# Altium PCB TIDA-010933-RevA.PcbDoc (part 8 of 9)
Units mm, origin at the board's own origin, x right, y up, seen from the top; angles counter-clockwise.
Board outline 230 x 230 mm, 4 copper layers (Top Layer, Layer 1, Layer 2, Bottom Layer), stack 1.637 mm thick; 776 components, 394 nets, 2295 pads, 2783 vias.
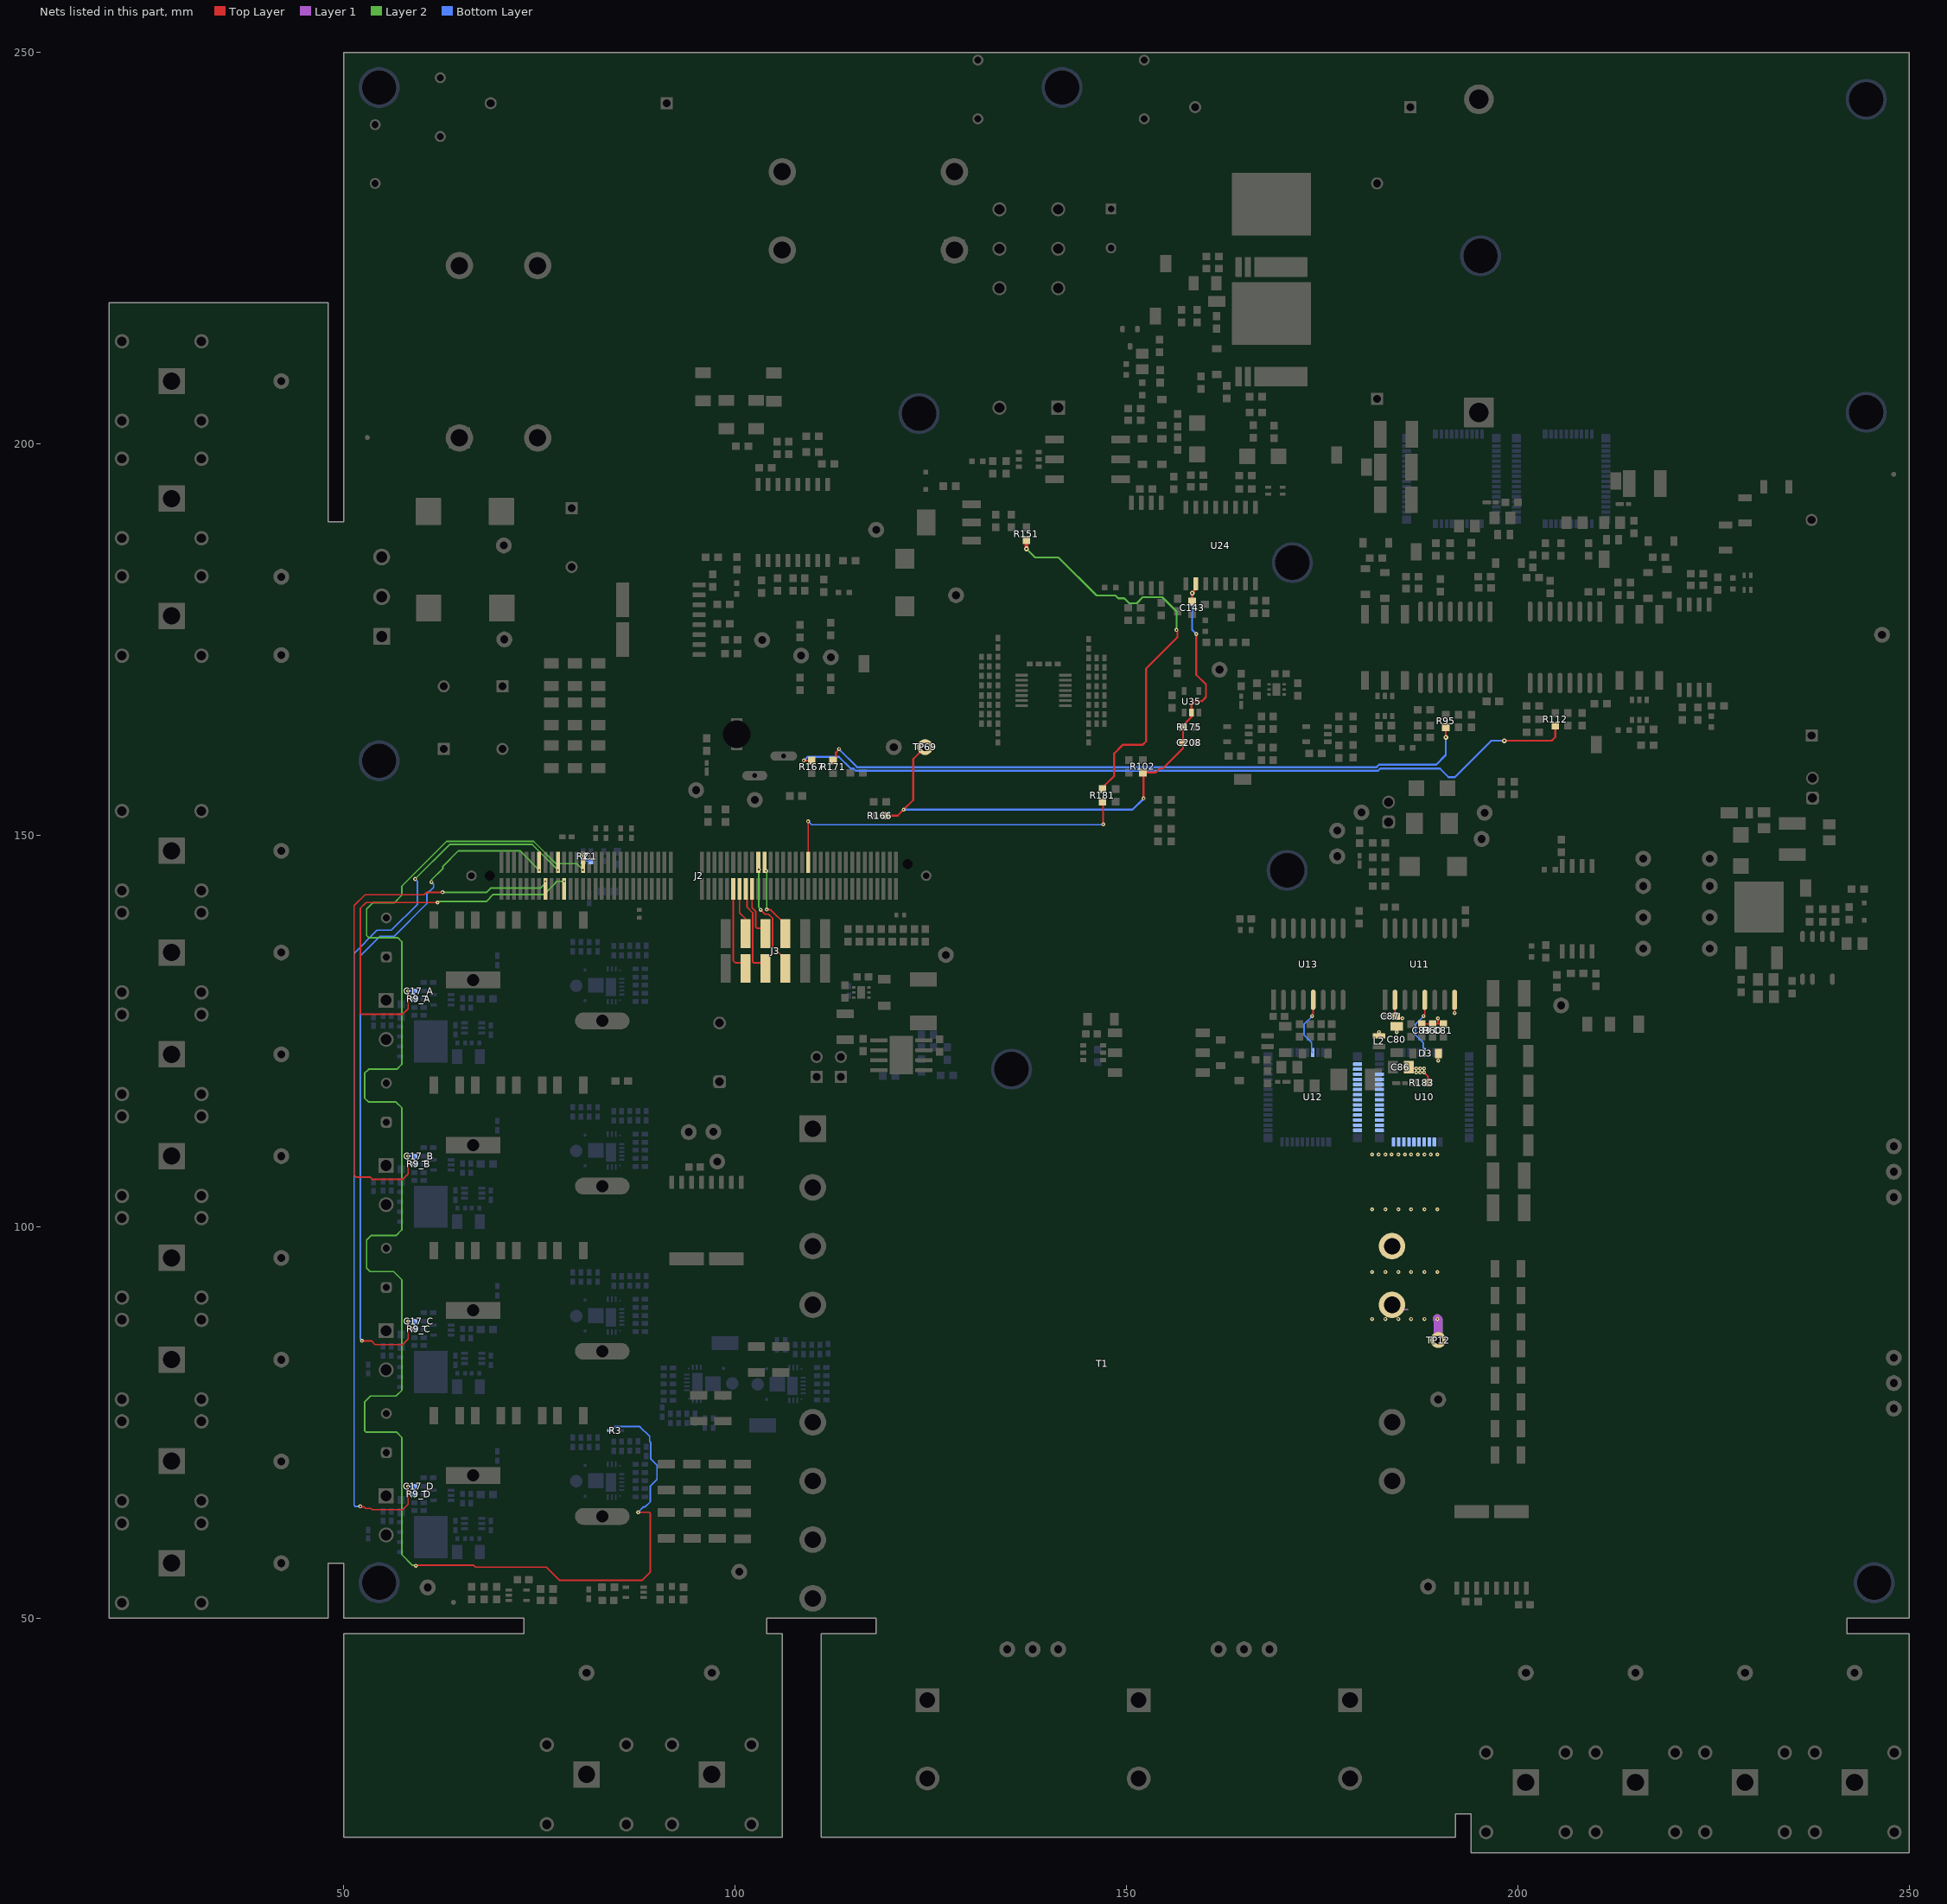
[diagram p10: the nets of this part, all layers, seen from the top]

## Via types
v1: diameter 0.5, hole 0.2, Top Layer to Bottom Layer, tented both sides, 1458 vias
v2: diameter 0.61, hole 0.254, Top Layer to Bottom Layer, tented both sides, 1311 vias
v3: diameter 0.63, hole 0.33, Top Layer to Bottom Layer, 6 vias
v4: diameter 0.5, hole 0.2, Top Layer to Bottom Layer, 4 vias
v5: diameter 0.61, hole 0.203, Top Layer to Bottom Layer, tented both sides, 4 vias

## Nets (pads, with @x,y where several pads share a name; then routed paths per layer and width w, separated by ;. In a path a pad name is that pad's centre, name@x,y a point inside that pad or via, vN(x,y) a via of type N, cw(c..) or ccw(c..) an arc to the next point about the centre after c; other vN are vias at no path point) (continued)
PWM_LS_Si: C143.1 C208.1 R102.2 R166.2 R175.2 TP69.1 U24.2 U35.2 | length 77.4
  Top Layer w0.254: R166.2@119.3,152.5 120.75,152.5 v1(121.5,153.25) 122.728,154.478 122.728,159.728 TP69.1@124.25,161.25 ; R102.2@152,158.1 R102.2@152.1,158 ; v1(152.172,154.672) 152.172,157.928 R102.2@152.1,158 ; C208.1@157.208,161.745 157.208,161.1 154.648,158.54 154.26,158.54 153.72,158 R102.2@152.1,158 ; C208.1@157.208,161.821 R175.2@157.208,163.821 157.208,164.004 158.293,165.089 U35.2@158.293,165.677 158.293,166.581 158.812,167.1 159.6,167.1 160.137,167.637 160.137,169.258 158.9,170.496 v1(158.9,175.7) ; C143.1@158.37,179.834 v2(158.37,180.914) 158.825,181.368 U24.2@158.825,182.125
  Bottom Layer w0.254: v1(121.5,153.25) 150.75,153.25 v1(152.172,154.672) ; v2(158.37,180.914) 158.37,176.23 v1(158.9,175.7)
RELAY: R151.1 R181.2 | length 52.5
  Top Layer w0.254: R181.2@146.9,155.894 147.248,156.242 147.248,156.402 148.392,157.546 148.392,160.423 149.523,161.554 152.062,161.554 152.492,161.984 152.492,171.276 156.5,175.284 156.5,176.082 v1(156.371,176.211)
  Top Layer w0.5: v2(137.193,186.575) R151.1@137.193,187.704
  Layer 2 w0.25: v2(137.193,186.575) 138.302,185.467 141.29,185.467 146.157,180.6 148.582,180.6 148.921,180.26 149.703,180.26
  Layer 2 w0.254: 149.703,180.26 149.703,180.259 150.333,179.628 151.291,179.628 152.051,180.388 154.563,180.388 156.371,178.579 v1(156.371,176.211)
RELAY_MCU: J2.92 R181.1 | length 46.1
  Top Layer w0.2: v1(109.3,151.75) 109.321,151.729 109.321,146.543 J2.92@109.343,146.522 ; R181.1@146.9,154.294 147,154.194 v1(147,151.375)
  Bottom Layer w0.2: v1(109.3,151.75) 109.338,151.75 109.765,151.323 146.948,151.323 v1(147,151.375)
SPI_CLK: J2.71 J3.5 | length 11.3
  Top Layer w0.2: J2.71@101.343,143.122 101.493,142.972 101.493,140.819 102.225,140.087 102.225,133.795 102.342,133.677 J3.5@103.83,133.677
SPI_COMM_CS: J2.73 J3.6 | length 6.3
  Top Layer w0.2: J2.73@102.143,143.122 102.143,140.734 102.625,140.252 102.625,138.24 102.742,138.122 J3.6@103.83,138.122
SPI_MISO: J2.69 J3.4 | length 5.3
  Top Layer w0.2: J2.69@100.543,143.122 100.543,140.075 101.29,139.328 J3.4@101.29,138.122
SPI_MOSI: J2.67 J3.3 | length 10.8
  Top Layer w0.2: J2.67@99.743,143.122 99.743,133.957 100,133.7 101.267,133.7 J3.3@101.29,133.677
SW_Node: C80.2 C81.2 C83.2 C86.2 C87.2 D3.2 L2.1 R60.1 R183.1 T1.11 T1.12 TP12.1 U10.18 U10.19 U10.20 U10.21 U10.22 U10.23 U10.24 U10.25 U10.26 U10.28 U10.29 U10.30 U10.31 U10.32 U10.33 U10.34 U10.35 U10.36 U10.37 U10.38 U10.39 U11.2 U11.8 U12.2 U12.3 U12.4 U12.5 U12.6 U12.7 U12.8 U12.9 U12.10 U12.11 U12.12 U12.13 U12.14 U12.15 | length 17.7
  Top Layer w0.2: L2.1@182.226,124.35 182.251,124.375 v1@182.251,124.975 ; U11.2@184.276,128.96 184.276,127.002 C87.2@184.428,126.85 184.687,126.591 v1(185.238,126.591) ; v1(184.501,124.85) C80.2@184.501,125.601 ; C86.2@186.042,120.375 C86.2@186.119,120.453 ; C86.2@186.4,120.2 v1(187,120.2) ; C83.2@187.701,125.875 189.726,125.875 ; v1(188,119.7) 188.5,119.2 R183.1@188.5,118.4 ; v1(189.76,126.591) 189.76,125.91 189.726,125.875 ; v1(189.8,121.2) 189.8,122.062 D3.2@189.838,122.1 ; C81.2@190.451,125.875 189.726,125.875 ; v1(191.896,127.275) U11.8@191.896,128.96
  Layer 1 w0.2: T1.11@183.9,89.7 184.2,89.4 185.9,89.4
  Layer 1 w1.2: v1(189.7,88.2) 189.8,88.1 TP12.1@189.8,85.5
  Bottom Layer w0.2: v1(189.8,121.2) v1@189.857,121.257
  other v1: 181.35,88.2 183.05,88.2 184.7,88.2 186.35,88.2 188.05,88.2 181.35,94.2 183.05,94.2 184.7,94.2 186.35,94.2 188.05,94.2 189.7,94.2 181.35,102.2 183.05,102.2 184.7,102.2 186.35,102.2 188.05,102.2 189.7,102.2 181.35,109.2 182.2,109.2 183.05,109.2 183.85,109.2 184.7,109.2 185.55,109.2 186.35,109.2 187.2,109.2 188.05,109.2 188.85,109.2 189.7,109.2 187.001,119.7 187.5,119.7 187.5,120.2 188,120.2 182.251,124.85
Temp: C1.1 J2.28 R2.1 R3.1 | length 206.3
  Top Layer w0.2: v1(59.205,56.675) 59.255,56.725 66.575,56.725 66.8,56.5 75.865,56.5 77.565,54.8 88.064,54.8 89.154,55.89 89.154,63.346 89,63.5 v1(87.6,63.5) ; v1(80.543,145.567) J2.28@80.543,146.522
  Layer 2 w0.2: v1(59.205,56.675) 59.147,56.733 58.776,56.733 57.4,58.108 57.4,73.052 56.702,73.75 52.816,73.75 52.65,73.916 52.65,77.584 53.416,78.35 56.666,78.35 57.4,79.084 57.4,93.205 56.355,94.25 53.344,94.25 52.9,94.694 52.9,98.3 53.45,98.85 56.666,98.85 57.4,99.584 57.4,115.166 56.658,115.908 53.158,115.908 52.65,116.416 52.65,119.584 53.166,120.1 56.767,120.1 57.4,120.733 57.4,136.379 56.879,136.9 53.166,136.9 52.9,137.166 52.9,140.584 53.666,141.35 56.416,141.35 57.4,142.334 57.4,143.478 63.122,149.2 74.243,149.2 77.089,146.355 79.755,146.355 v1(80.543,145.567)
  Bottom Layer w0.2: v1(80.543,145.567) R2.1@80.543,146.7 C1.1@81.543,146.7 ; R3.1@83.98,73.95 84.115,73.95 84.615,74.45 87.806,74.45 89.054,73.202 89.054,72.547 89.211,72.39 89.211,70.289 90,69.5 90,69.249 90.004,69.245 90.004,67.928 90,67.924 90,67.7 89.161,66.861 89.161,64.859 88.51,64.208 88.308,64.208 v1(87.6,63.5)
TEMP_H: U10.49 U11.5 | length 7.7
  Top Layer w0.2: v1(187.926,126.9) 187.926,126.981 188.086,127.141 U11.5@188.086,128.96
  Bottom Layer w0.2: v1(187.926,126.9) 187.926,126.847 186.901,125.822 186.901,124.484 187.886,123.499 187.886,122.375 U10.49@188.011,122.25
TEMP_HS_GaN: R95.1 R171.1 | length 84.4
  Top Layer w0.25: R171.1@112.5,159.55 112.85,159.9 112.85,160.532 113.25,160.932 v1(113.25,161)
  Top Layer w0.254: v2(190.772,162.5) R95.1@190.772,163.792
  Bottom Layer w0.25: v1(113.25,161) 115.566,158.684 181.934,158.684
  Bottom Layer w0.254: 181.934,158.684 182.25,159 189.543,159 190.772,160.229 v2(190.772,162.5)
TEMP_L: U12.49 U13.5 | length 7.7
  Top Layer w0.2: v1(173.676,126.9) 173.676,126.981 173.836,127.141 U13.5@173.836,128.96
  Bottom Layer w0.2: v1(173.676,126.9) 173.676,126.847 172.651,125.822 172.651,124.484 173.636,123.499 173.636,122.375 U12.49@173.761,122.25
TEMP_LS_GaN: R112.1 R167.1 | length 102.1
  Top Layer w0.25: v1(108.75,159.532) 109.732,159.532 R167.1@109.75,159.55
  Top Layer w0.254: v2(198.25,162.06) 204.289,162.06 204.775,162.546 204.775,163.943 R112.1@204.743,163.975
  Bottom Layer w0.25: v1@108.75,159.5 109.25,160 113.25,160 114.75,158.5 115.114,158.5 115.382,158.232 182.121,158.232 182.389,158.5 190.022,158.5 191.126,157.397
  Bottom Layer w0.254: 191.126,157.397 191.918,157.397 196.581,162.06 v2(198.25,162.06)
UART_RX: J2.76 J3.7 | length 15.2
  Top Layer w0.2: J2.76@102.943,146.522 102.971,146.493 102.971,145.629 v1(103,145.6) ; v1(103.247,140.473) 103.819,139.901 104.251,139.901 104.765,139.387 104.765,135.788 106.37,134.183 J3.7@106.37,132.978
  Layer 2 w0.2: v1(103,145.6) 103,140.801 103.247,140.554 v1(103.247,140.473)
UART_TX: J2.78 J3.8 | length 10.5
  Top Layer w0.2: J2.78@103.743,146.522 103.743,145.687 103.95,145.48 v1(103.95,145.431) ; v1(104.012,140.486) 104.025,140.473 104.524,140.473 106.37,138.628 J3.8@106.37,137.423
  Layer 2 w0.2: v1(103.95,145.431) 104.012,145.369 v1(104.012,140.486)
VS_BOOST1: C17_A.1 J2.21 R9_A.2 | length 52.5
  Top Layer w0.2: v1(58.2,130.1) 58.2,127.823 57.505,127.128 52.217,127.128 52.1,127.245 52.1,134.884 52.1,140.653 52.847,141.4 v1(61.95,141.4) ; J2.21@78.143,143.122 v1(78.143,144.1)
  Layer 2 w0.2: v1(61.95,141.4) 62.031,141.4 62.157,141.526 68.191,141.526 69.095,142.429 75.607,142.429 77.05,143.872 77.05,143.983 77.167,144.1 v1(78.143,144.1)
  Bottom Layer w0.2: v1(58.2,130.1) C17_A.1@59,130.1 R9_A.2@59,129.1 ; R9_A.2@58.925,129.025 R9_A.2@58.945,129.005
VS_BOOST2: C17_B.1 J2.15 R9_B.2 | length 72.8
  Top Layer w0.2: v1(58.2,109) 58.2,106.723 57.505,106.028 53.631,106.028 53.331,106.328 51.527,106.328 51.3,106.555 51.3,135.603 51.3,140.984 52.709,142.393 60.266,142.393 60.572,142.7 v1(62.6,142.7) ; J2.15@75.743,143.122 v1(75.743,144.1)
  Layer 2 w0.2: v1(62.6,142.7) 68.234,142.7 68.77,143.236 75.091,143.236 75.686,143.83 75.686,144.043 v1(75.743,144.1)
  Bottom Layer w0.2: v1(58.2,109) C17_B.1@59,109 R9_B.2@59,108 ; R9_B.2@58.925,107.925 R9_B.2@58.945,107.905
VS_BOOST3: C17_C.1 J2.14 R9_C.2 | length 92
  Top Layer w0.2: v1(52.3,85.4) 53.512,85.4 53.984,84.928 57.505,84.928 58.2,85.623 v1(58.2,87.9) ; v1(74.943,145.535) J2.14@74.943,146.522
  Layer 2 w0.2: v1(61.2,144) 61.143,144.057 61.143,144.223 61.133,144.233 62.658,145.758 62.658,146.026 64.631,148 72.478,148 v1(74.943,145.535)
  Bottom Layer w0.2: v1(52.3,85.4) 52.3,85.467 52.1,85.667 52.1,134.566 54.584,137.05 56.397,137.05 60.6,141.253 60.6,142.478 61.469,143.346 61.469,143.731 v1(61.2,144) ; v1(58.2,87.9) C17_C.1@59,87.9 R9_C.2@59,86.9 ; R9_C.2@58.925,86.825 R9_C.2@58.945,86.805
VS_BOOST4: C17_D.1 J2.20 R9_D.2 | length 118.5
  Top Layer w0.2: v1(52.1,64.25) 52.157,64.193 52.557,64.193 52.75,64 53.428,64 53.6,63.828 57.505,63.828 58.2,64.523 v1(58.2,66.8) ; v1(77.343,145.535) J2.20@77.343,146.522
  Layer 2 w0.2: v1(59.1,144.4) 63.5,148.8 74.078,148.8 v1(77.343,145.535)
  Bottom Layer w0.2: v1(52.1,64.25) 51.417,64.25 51.3,64.367 51.3,134.898 54.252,137.85 56.066,137.85 59.4,141.184 59.4,144.1 v1(59.1,144.4) ; v1(58.2,66.8) C17_D.1@59,66.8 R9_D.2@59,65.8 ; R9_D.2@58.925,65.725 R9_D.2@58.945,65.705
pads on no net: D21.2 FID1.1 FID2.1 FID3.1 FID4.1 FID5.1 FID6.1 J2.1 J2.2 J2.3 J2.4 J2.5 J2.6 J2.8 J2.27 J2.30 J2.32 J2.40 J2.41 J2.42 J2.43 J2.44 J2.66 J2.68 J2.70 J2.72 J2.74 J2.75 J2.77 J2.79 J2.81 J2.85 J2.87 J2.88 J2.89 J2.90 J2.91 J2.93 J2.108 J2.110 J2.113 J2.114 J2.115 J2.116 J2.117 J2.118 J2.120 J2.181 J2.182 J2.185 J2.186 J10_A.2 J10_A.3 J10_A.4 J10_A.5 J10_B.2 J10_B.3 J10_B.4 J10_B.5 J10_C.2 J10_C.3 J10_C.4 J10_C.5 J10_D.2 J10_D.3 J10_D.4 J10_D.5 J11_A.2 J11_A.3 J11_A.4 J11_A.5 J11_B.2 J11_B.3 J11_B.4 J11_B.5 J11_C.2 J11_C.3 J11_C.4 J11_C.5 J11_D.2 J11_D.3 J11_D.4 J11_D.5 J12.2 J12.3 J12.4 J12.5 J13.2 J13.3 J13.4 J13.5 J14.2 J14.3 J14.4 J14.5 J15.2 J15.3 J15.4 J15.5 J16.2 J16.3 J16.4 J16.5 J17.2 J17.3 J17.4 J17.5 J18.2 J18.3 J18.4 J18.5 J19.2 J19.3 J19.4 J19.5 J20.2 J20.3 J20.4 J20.5 K1.5 K1.12 L8. LBL1.0 MP2. MP2.1 MP3. MP3.1 MP4. MP4.1 MP5. MP6. MP6.1 MP7. MP7.1 MP8. MP8.1 MP9. MP10. MP11. MP11.1 MP12. MP12.1 MP13. MP13.1 Q1_A.9@59.19,121.262 Q1_A.9@59.19,126.007 Q1_A.9@59.485,122.305 Q1_A.9@59.485,123.635 Q1_A.9@59.485,124.965 Q1_A.9@60.77,123.635 Q1_A.9@60.635,122.305 Q1_A.9@60.635,123.635 Q1_A.9@60.635,124.965 Q1_A.9@61.785,122.305 Q1_A.9@61.785,123.635 Q1_A.9@61.785,124.965 Q1_B.9@59.19,100.162 Q1_B.9@59.19,104.907 Q1_B.9@59.485,101.205 Q1_B.9@59.485,102.535 Q1_B.9@59.485,103.865 Q1_B.9@60.77,102.535 Q1_B.9@60.635,101.205 Q1_B.9@60.635,102.535 Q1_B.9@60.635,103.865 Q1_B.9@61.785,101.205 Q1_B.9@61.785,102.535 Q1_B.9@61.785,103.865 Q1_C.9@59.19,79.062 Q1_C.9@59.19,83.807 Q1_C.9@59.485,80.105 Q1_C.9@59.485,81.435 Q1_C.9@59.485,82.765 Q1_C.9@60.77,81.435 Q1_C.9@60.635,80.105 Q1_C.9@60.635,81.435 Q1_C.9@60.635,82.765 Q1_C.9@61.785,80.105 Q1_C.9@61.785,81.435 Q1_C.9@61.785,82.765 Q1_D.9@59.19,57.962 Q1_D.9@59.19,62.707 Q1_D.9@59.485,59.005 Q1_D.9@59.485,60.335 Q1_D.9@59.485,61.665 Q1_D.9@60.77,60.335 Q1_D.9@60.635,59.005 Q1_D.9@60.635,60.335 Q1_D.9@60.635,61.665 Q1_D.9@61.785,59.005 Q1_D.9@61.785,60.335 Q1_D.9@61.785,61.665 T3.2 T4.2 T5.2 TP23.1 TP24.1 U1_A.1 U1_A.2 U1_A.3 U1_A.4 U1_A.8 U1_A.9 U1_A.16 U1_B.1 U1_B.2 U1_B.3 U1_B.4 U1_B.8 U1_B.9 U1_B.16 U1_C.1 U1_C.2 U1_C.3 U1_C.4 U1_C.8 U1_C.9 U1_C.16 U1_D.1 U1_D.2 U1_D.3 U1_D.4 U1_D.8 U1_D.9 U1_D.16 U5.4 U5.5 U5.7 U5.8 U6.4 U6.5 U6.7 U6.8 U7.1 U7.2 U7.3 U7.4 U7.8 U7.9 U7.16 U9.1 U9.2 U9.3 U9.4 U9.8 U9.9 U9.16 U15.2 U15.5 U15.7@116.1,129.45 U15.7@116.1,130.35 U19.2 U19.5 U19.7@169.147,168.163 U19.7@169.147,169.063 U22.17 U24.7 U24.12 U24.13 U25.17 U28.4 U32.10 U35.1

## Polygon pours and split planes (outlines as drawn)
PGND_LV on Layer 2 "LAYER_2_PGND_LV_P017" (solid, remove dead copper, pour order 17): 91.6,150.725 91.5,150.625 91.5,101.775 110.1,101.775 110.1,51 104,51 104,20 73.078,20 73.078,51 64.5,51 56.55,58.95 49.9,58.95 49.9,150.152
NetF1_2 on Layer 2 "LAYER_2_NETF1_2_P136" (solid, remove dead copper, pour order 136): 20.25,190 32.75,190 34.25,188.5 34.25,184.5 38.75,180 43.25,180 45.918,177.332 57.25,177.332 57.25,182 47.25,182 44.25,185 33.25,196 20.25,196
NetC7_B_2 on Layer 2 "LAYER_2_NETC7_B_2_P001" (solid, remove dead copper, pour order 1): 48,111 57.25,111 57.25,99.25 46.5,99.25 43.75,102 20.25,102 20.25,127.963 48,127.963
NetC7_A_2 on Layer 2 "LAYER_2_NETC7_A_2_P000" (solid, remove dead copper, pour order 0): 48,132.25 57.25,132.25 57.25,128 57.25,120.5 46,120.5 38.5,128 20.25,128 20.25,154 48,154
NetC7_C_2 on Layer 2 "LAYER_2_NETC7_C_2_P011" (solid, remove dead copper, pour order 11): 48,89.75 57.25,89.75 57.25,78.25 48,78.25 48,76 41.5,76 20.25,76 20.25,102 48,102
DCLINK+_HV on Layer 2 "LAYER_2_DCLINK+_HV_P123" (solid, remove dead copper, pour order 123): 234.516,196.498 235.451,197.433 237.933,197.433 239.254,196.112 239.254,188.653 236.377,188.653 234.516,190.515 234.516,191.607
NetC7_D_2 on Layer 2 "LAYER_2_NETC7_D_2_P015" (solid, remove dead copper, pour order 15): 48,69 57.25,69 57.25,57.5 48,57.5 48,50 41.5,50 20.25,50 20.25,76 48,76
GND on Layer 2 "LAYER_2_GND_P133" (solid, remove dead copper, pour order 133): 19 vertices, not listed, extent 92.25,105 207.25,158.75
HVN on Layer 2 "MidLayer1-GND_HV_SUPPLY" (solid, remove dead copper, pour order 120): 32 vertices, not listed, extent 168.431,62 249.25,227.711
GND_HV on Layer 2 "LAYER_2_GND_HV_P022" (solid, remove dead copper, pour order 22): 165.9,110 201.301,110 201.301,119.1 165.9,119.1
DCLINK+_HV on Layer 2 "LAYER_2_DCLINK+_HV_P132" (solid, remove dead copper, pour order 132): 184.043,25 188.043,29 188.043,42 182.543,47.5 121.805,47.5 116.043,41.738 116.043,29 120.043,25
NetC169_2 on Layer 2 "LAYER_2_NETC169_2_P129" (solid, remove dead copper, pour order 129): 59,234.593 59,237.523 62.727,241.25 65.996,241.25 65.996,243.801 69.668,247.473 82.17,247.473 92.5,237.144 92.5,231.477 94.227,229.75 104.728,229.75 107.878,226.6 107.878,221.712 106.255,220.089 73.504,220.089
GND on Layer 2 "LAYER_2_GND_P124" (solid, remove dead copper, pour order 124): 32 vertices, not listed, extent 94,144.25 226.03,208.931
GND_HS_Si on Layer 2 "LAYER_2_GND_HS_SI_P114" (solid, remove dead copper, pour order 114): 148,192.575 149.657,190.918 149.664,190.925 160.283,190.925 160.55,191.192 160.55,204.082 158.192,206.44 158.192,209.692 163,214.5 163,224.5 162,225.5 155,225.5 153,223.5 153,218.5 148,213.5
GND_VM_HV on Layer 2 "LAYER_2_GND_VM_HV_P108" (solid, remove dead copper, pour order 108): 101.675,193.741 92.5,202.916 92.5,209.268 94.318,211.086 94.404,211 102.55,211 102.55,210.962 104.416,209.095 108.349,209.095 113.25,204.194 113.25,195.006 111.985,193.741
NetL10_4 on Layer 2 "LAYER_2_NETL10_4_P094" (solid, remove dead copper, pour order 94): 76.5,182.139 81.195,182.139 88,188.944 88,197.061 81.811,203.25 73.75,203.25 72.25,201.75 72.25,199.25 73.25,198.25 80.965,198.25 83.193,196.022 83.193,191.476 76.5,184.783
GRID_GND on Layer 2 "LAYER_2_GRID_GND_P090" (solid, remove dead copper, pour order 90): 50.507,155.5 63.5,155.5 63.5,170 57,176.5 50.507,176.5
no net on Layer 2 "LAYER_2_NONET_P079" (solid, remove dead copper, pour order 79): 163.63,168.411 165.605,170.386 168.632,170.386 171.763,170.386 171.99,170.613 211.358,170.613 212.8,169.171 212.8,167.434 212.442,167.076 210.205,167.076 209.269,166.14 163.63,166.14 163.63,168.113
GND on Layer 2 "LAYER_2_GND_P075" (solid, remove dead copper, pour order 75): 50 vertices, not listed, extent 94.3,157.517 188.439,205.956
no net on Layer 2 "LAYER_2_NONET_P057" (solid, remove dead copper, pour order 57): 22 vertices, not listed, extent 180.46,141.602 225.625,163.424
NetF2_1 on Layer 2 "LAYER_2_NETF2_1_P056" (solid, remove dead copper, pour order 56): 70,189 78.49,189 80.844,191.354 80.844,194.447 80.291,195 74.043,195 72,197.043 65.543,203.5 63.5,203.5 62,202 62,199.85 69,192.85 69,190
NetC168_1 on Layer 2 "LAYER_2_NETC168_1_P041" (solid, remove dead copper, pour order 41): 18 vertices, not listed, extent 125,232 199,248
HVN on Layer 2 "LAYER_2_HVN_P039" (solid, remove dead copper, pour order 39): 202.825,189.9 202.825,191.735 203.395,192.305 208.637,192.305 209.109,191.834 209.109,189.9
GND_LS_Si on Layer 2 "LAYER_2_GND_LS_SI_P038" (solid, remove dead copper, pour order 38): 162.823,191.771 163.52,191.075 167.151,191.075 168.5,192.423 168.5,195.303 170.48,197.284 170.48,204.631 166.5,208.612 166.5,209.5 166,210 163.5,210 162.823,209.323
GND_HS_GaN on Layer 2 "LAYER_2_GND_HS_GAN_P031" (solid, remove dead copper, pour order 31): 196.386,177.141 197.794,178.549 197.794,183.567 197,184.361 197,186.71 197.36,187.07 198.706,187.07 199.638,188.001 199.638,189.775 199.621,189.775 196.731,192.665 185.328,192.665 178.693,186.03 178.693,178.632 180.184,177.141
HVN on Layer 2 "LAYER_2_HVN_P024" (solid, remove dead copper, pour order 24): 225.301,177.05 228.56,180.309 228.56,186.044 224.304,190.3 202.907,190.3 199.676,187.07 199.676,178.719 201.345,177.05
GND on Layer 1 "MidLayer1-GND" (solid, remove dead copper, pour order 116): 32 vertices, not listed, extent 94,142.216 226,208.931
HVN on Layer 1 "LAYER_1_HVN_P118" (solid, remove dead copper, pour order 118): 201.345,177.05 199.676,178.719 199.676,187.07 202.825,190.218 202.825,191.425 203.47,192.069 208.448,192.069 208.873,191.644 208.873,190 224.604,190 228.56,186.044 228.56,180.309 225.301,177.05
HVN on Layer 1 "LAYER_1_HVN_P122" (solid, remove dead copper, pour order 122): 184.043,25 188.043,29 188.043,42 182.543,47.5 121.805,47.5 116.043,41.738 116.043,29 120.043,25
HVN on Layer 1 "LAYER_1_HVN_P018" (solid, remove dead copper, pour order 18): 222.72,131.258 225.891,128.088 229.9,128.088 229.9,136.3 226.6,136.3 226.6,140.254 225.717,141.137 223.606,141.137 222.72,140.252
NetF2_2 on Layer 1 "LAYER_1_NETF2_2_P134" (solid, remove dead copper, pour order 134): 47,188 57.25,188 57.25,183.75 45.25,183.75 37.75,191.25 37.75,200.25 33.5,204.5 20.25,204.5 20.25,210.75 47,210.75
GRID_GND on Layer 1 "LAYER_1_GRID_GND_P135" (solid, remove dead copper, pour order 135): 46.25,175.25 47,174.5 51,174.5 54,177.5 57.25,177.5 57.25,170.25 37,170.25 32.5,174.75 20.25,174.75 20.25,181 40.5,181
GND_HS_Si on Layer 1 "LAYER_1_GND_HS_SI_P023" (solid, remove dead copper, pour order 23): 163.844,217.416 162.01,219.25 161,219.25 161,219.3 160.7,219.6 160.7,221.7 161,222 162.5,222 164.75,219.75 164.75,218.322
BoostIN_A on Layer 1 "LAYER_1_BOOSTIN_A_P002" (solid, remove dead copper, pour order 2): 48,132.25 57.25,132.25 57.25,128 57.25,120.5 46.25,120.5 38.75,128 20.25,128 20.25,154 48,154
GND_HS_GaN on Layer 1 "LAYER_1_GND_HS_GAN_P112" (solid, remove dead copper, pour order 112): 198.502,187.445 199.082,187.445 199.613,187.977 199.613,191.25 200.534,192.171 200.534,192.838 200.374,192.999 199.083,192.999 198.94,192.856 198.94,191.798 198.176,191.034 198.176,187.443 198.502,187.443
BoostIN_B on Layer 1 "LAYER_1_BOOSTIN_B_P007" (solid, remove dead copper, pour order 7): 48,111 57.25,111 57.25,99.25 46.5,99.25 43.75,102 20.25,102 20.25,127.963 48,127.963
BoostIN_C on Layer 1 "LAYER_1_BOOSTIN_C_P009" (solid, remove dead copper, pour order 9): 48,89.75 57.25,89.75 57.25,78.25 48,78.25 48,75.963 41.5,75.963 20.25,75.963 20.25,101.963 48,101.963
DCLINK+_HV on Layer 1 "Top Layer-HVP" (solid, remove dead copper, pour order 110): 24 vertices, not listed, extent 163.45,190.416 219.703,235
BoostIN_D on Layer 1 "LAYER_1_BOOSTIN_D_P016" (solid, remove dead copper, pour order 16): 48,69 57.25,69 57.25,57.5 48,57.5 48,50 41.5,50 20.25,50 20.25,76 48,76
DCLINK+_HV on Layer 1 "LAYER_1_DCLINK+_HV_P131" (solid, remove dead copper, pour order 131): 194,125.1 194,100.7 242.4,100.7 242.4,125.1
DCLINK+_HV on Layer 1 "MidLayer2-HVP" (solid, remove dead copper, pour order 111): 39 vertices, not listed, extent 162.614,24 250,235
SW_Node on Layer 1 "LAYER_1_SW_NODE_P059" (solid, remove dead copper, pour order 59): 181.7,119.225 190.5,119.225 190.5,125.424 192.201,127.125 192.201,130.25 182.701,130.25 181.7,129.249
GND_HV on Layer 1 "LAYER_1_GND_HV_P061" (solid, remove dead copper, pour order 61): 166,119.225 176.226,119.225 176.226,125.4 177.951,127.125 177.951,130.25 168.451,130.25 166,127.799
NetC170_1 on Layer 1 "LAYER_1_NETC170_1_P125" (solid, remove dead copper, pour order 125): 61.843,220.045 51.35,230.537 51.35,232.607 53.494,234.75 64.664,234.75 77.678,247.764 102.357,247.764 108.25,241.871 108.25,233.361 106.383,231.493 78.778,231.493 66.992,219.707 62.135,219.707 61.843,220
GND_HS_GaN on Layer 1 "LAYER_1_GND_HS_GAN_P119" (solid, remove dead copper, pour order 119): 19 vertices, not listed, extent 178.693,177.141 199.651,191.93
HVN on Layer 1 "LAYER_1_HVN_P109" (solid, remove dead copper, pour order 109): 168.4,207.342 168.4,209.588 168.812,210 179.864,210 182.999,206.865 182.999,204.5 182.22,203.721 182.22,190.676 181.98,190.435 177.377,190.435 173.112,194.701 173.112,202.63
GND_LS_Si on Layer 1 "LAYER_1_GND_LS_SI_P102" (solid, remove dead copper, pour order 102): 162.823,191.771 163.52,191.075 167.151,191.075 168.5,192.423 168.5,195.303 170.48,197.284 170.48,204.631 166.5,208.612 166.5,209.5 166,210 163.567,210 162.823,209.256
GND_VM_HV on Layer 1 "MidLayer1-GND_VM_HV" (solid, remove dead copper, pour order 99): 21 vertices, not listed, extent 92.5,193.741 113.25,229
NetF2_1 on Layer 1 "LAYER_1_NETF2_1_P096" (solid, remove dead copper, pour order 96): 70,189 78.49,189 80.844,191.354 80.844,194.447 80.291,195 74.043,195 72,197.043 65.543,203.5 63.5,203.5 62,202 62,199.85 69,192.85 69,190
NetF1_1 on Layer 1 "LAYER_1_NETF1_1_P089" (solid, remove dead copper, pour order 89): 69.678,167.593 71.693,167.593 75.375,171.275 80.4,171.275 80.4,177.095 76.85,177.095 72.545,181.4 69.105,181.4 68.175,180.47 68.175,169.096
NetL10_4 on Layer 1 "LAYER_1_NETL10_4_P086" (solid, remove dead copper, pour order 86): 76.5,182.139 81.195,182.139 88,188.944 88,197.061 81.811,203.25 73.75,203.25 72.25,201.75 72.25,199.25 73.25,198.25 80.965,198.25 83.193,196.022 83.193,191.476 76.5,184.783
GRID_GND on Layer 1 "LAYER_1_GRID_GND_P084" (solid, remove dead copper, pour order 84): 50.507,155.5 50.507,170.97 63.5,170.97 63.5,155.5
NetC168_1 on Layer 1 "LAYER_1_NETC168_1_P074" (solid, remove dead copper, pour order 74): 18 vertices, not listed, extent 125,232 199,248
GND_HS_Si on Layer 1 "LAYER_1_GND_HS_SI_P063" (solid, remove dead copper, pour order 63): 18 vertices, not listed, extent 148,190.918 163,225.5
75V on Layer 1 "LAYER_1_75V_P055" (solid, remove dead copper, pour order 55): 70.6,126.55 110.4,126.55 110.4,55.6 70.6,55.6
GND on Layer 1 "LAYER_1_GND_P019" (solid, remove dead copper, pour order 19): 27 vertices, not listed, extent 50.1,50.7 203.75,150.3
PGND_LV on Top Layer "TOP_LAYER_PGND_LV_P006" (solid, remove dead copper, pour order 6): 77.3,57.1 77.9,57.7 107.64,57.7 107.64,105.8 89.68,105.8 89.68,140.839 89.62,140.9 89.22,140.5 50.02,140.5 50,57.1
GND_HS_Si on Top Layer "TOP_LAYER_GND_HS_SI_P146" (solid, remove dead copper, pour order 146): 161.5,221.5 161.5,217.5 164.5,217.5 164.5,220.5 164,220.5 163,221.5
GND on Top Layer "TOP_LAYER_GND_P104" (solid, remove dead copper, pour order 104): 31 vertices, not listed, extent 94,137 226.03,208.931
DCLINK+_HV on Top Layer "TOP_LAYER_DCLINK+_HV_P145" (solid, remove dead copper, pour order 145): 164,227 178.5,227 181,224.5 181,215 186,210 186,192.281 187.281,192.281 189,194 189,232 188,232 185,235 164,235
DCLINK+_HV on Top Layer "TOP_LAYER_DCLINK+_HV_P127" (solid, remove dead copper, pour order 127): 184.043,25 188.043,29 188.043,42 182.543,47.5 121.78,47.5 116.043,41.763 116.043,29 120.043,25
HVN on Top Layer "TOP_LAYER_HVN_P143" (solid, remove dead copper, pour order 143): 211,52 211,21 219,21 219,52
GND_HV on Top Layer "TOP_LAYER_GND_HV_P142" (solid, remove dead copper, pour order 142): 200,72 200,68 203,65 203,50 197,44 197,21 205,21 205,35 210,40 210,72
HVN on Top Layer "TOP_LAYER_HVN_P141" (solid, remove dead copper, pour order 141): 233.5,128.25 233.5,127.25 230,127.25 230,132.579 231.25,132.579 231.25,128.25
NetF1_2 on Top Layer "TOP_LAYER_NETF1_2_P140" (solid, remove dead copper, pour order 140): 57.25,178.25 45.5,178.25 41.75,178.25 33.25,186.75 33.25,188.75 31.75,190.25 23.25,190.25 23.25,195.25 24,196 32.5,196 34.75,193.75 34.75,191.75 45,181.5 57.25,181.5
NetF2_2 on Top Layer "TOP_LAYER_NETF2_2_P139" (solid, remove dead copper, pour order 139): 56.75,184 46.25,184 37.75,192.5 37.75,202 34.75,205 23.25,205 22,206.25 22,209.5 22.25,209.5 23.5,210.75 44.25,210.75 47,208 47,188 56.75,188
NetL10_4 on Top Layer "TOP_LAYER_NETL10_4_P037" (solid, remove dead copper, pour order 37): 76.5,182.139 81.195,182.139 88,188.944 88,197.061 81.811,203.25 73.75,203.25 72.25,201.75 72.25,199.25 73.25,198.25 80.965,198.25 83.193,196.022 83.193,191.476 76.5,184.783
HVN on Top Layer "TOP_LAYER_HVN_P087" (solid, remove dead copper, pour order 87): 167.008,208.103 173.112,202 173.112,194.701 177.377,190.435 181.98,190.435 182.22,190.676 182.22,204.22 183,205 183,206.864 179.864,210 167.776,210 167.008,209.232
HVN on Top Layer "TOP_LAYER_HVN_P047" (solid, remove dead copper, pour order 47): 222.5,127 225.5,124 240.7,124 249.2,115.5 249.2,51 211,51 211,127.005 215.002,127
NetC169_2 on Top Layer "TOP_LAYER_NETC169_2_P113" (solid, remove dead copper, pour order 113): 59,234.593 59,237.523 62.727,241.25 65.996,241.25 65.996,243.801 69.668,247.473 82.17,247.473 92.5,237.144 92.5,231.477 94.227,229.75 104.728,229.75 108.75,225.728 108.75,222.584 106.255,220.089 73.504,220.089
GRID_GND_2 on Top Layer "TOP_LAYER_GRID_GND_2_P107" (solid, remove dead copper, pour order 107): 129.929,249.659 130.02,249.75 153.011,249.75 153.011,248 146,241.5 136,241.5 129.929,247.571
no net on Top Layer "TOP_LAYER_NONET_P106" (solid, remove dead copper, pour order 106): 116.005,155.5 116.005,161.253 118.336,163.585 124.988,163.585 127.591,160.981 127.591,155.5
HVN on Top Layer "TOP_LAYER_HVN_P103" (solid, remove dead copper, pour order 103): 212.291,185.015 212.291,190.685 212.43,190.824 213.784,190.824 214.082,190.526 214.082,189.365 215.532,189.365 215.525,189.358 215.525,185.015
no net on Top Layer "TOP_LAYER_NONET_P101" (solid, remove dead copper, pour order 101): 163.651,169.99 163.137,169.475 160.616,169.475 160.137,169.953 160.137,172.009 160.808,172.68 166.575,172.68 167.826,171.429 167.826,169.274 167.417,168.865 165.891,168.865 164.755,170 163.651,170
NetC118_1 on Top Layer "TOP_LAYER_NETC118_1_P100" (solid, remove dead copper, pour order 100): 18 vertices, not listed, extent 223.482,145.803 238.535,155.136
NetR121_1 on Top Layer "TOP_LAYER_NETR121_1_P093" (solid, remove dead copper, pour order 93): 224.69,189.091 224.246,189.534 224.246,190.407 224.906,191.067 230.584,191.067 230.85,190.8 230.85,189.488 230.453,189.091 230.35,189.091
NetR120_1 on Top Layer "TOP_LAYER_NETR120_1_P092" (solid, remove dead copper, pour order 92): 226.95,193.9 228.095,192.755 230.109,192.755 230.2,192.664 231.425,193.889 231.425,195.7 227.343,195.7 226.95,195.307 226.95,193.88
HVN on Top Layer "TOP_LAYER_HVN_P088" (solid, remove dead copper, pour order 88): 211.669,194.146 212.641,193.175 215.065,193.175 215.065,197.843 214.621,198.288 212.246,198.288 211.669,197.711
NetC168_1 on Top Layer "TOP_LAYER_NETC168_1_P082" (solid, remove dead copper, pour order 82): 166.872,237 166,237.872 166,246.588 167.412,248 197,248 199,246 199,240 196,237
NetK1_7 on Top Layer "TOP_LAYER_NETK1_7_P076" (solid, remove dead copper, pour order 76): 126.75,222.25 128.5,222.25 134.75,228.5 147.952,228.5 148.75,229.298 148.75,234.25 148,235 133.592,235 125,226.408 125,224
GND_VM_HV on Top Layer "TOP_LAYER_GND_VM_HV_P073" (solid, remove dead copper, pour order 73): 106.301,202.7 106.301,201.136 101.527,201.136 101.527,202.7
NetC184_2 on Top Layer "TOP_LAYER_NETC184_2_P072" (solid, remove dead copper, pour order 72): 95.178,201.184 95.178,202.748 99.953,202.748 99.953,201.184
NetR134_1 on Top Layer "TOP_LAYER_NETR134_1_P071" (solid, remove dead copper, pour order 71): 109.05,206.266 109.05,204.702 101.514,204.702 101.514,206.266
NetR135_1 on Top Layer "TOP_LAYER_NETR135_1_P070" (solid, remove dead copper, pour order 70): 92.5,204.674 92.5,206.238 100.036,206.238 100.036,204.674
NetC169_2 on Top Layer "TOP_LAYER_NETC169_2_P069" (solid, remove dead copper, pour order 69): 102.55,208.45 102.55,210.014 107.324,210.014 107.324,208.45
NetC170_1 on Top Layer "TOP_LAYER_NETC170_1_P068" (solid, remove dead copper, pour order 68): 93.5,208.5 93.5,210.064 98.274,210.064 98.274,208.5
GRID_GND_1 on Top Layer "TOP_LAYER_GRID_GND_1_P067" (solid, remove dead copper, pour order 67): 50.5,241.387 51.887,240 59.397,240 63.5,244.103 63.5,248.308 62.308,249.5 50.5,249.5
NetF2_1 on Top Layer "TOP_LAYER_NETF2_1_P064" (solid, remove dead copper, pour order 64): 70,189 78.49,189 80.844,191.354 80.844,194.447 80.291,195 74.25,195 65.75,203.5 63.5,203.5 62,202 62,199.85 69,192.85 69,190
NetF1_1 on Top Layer "TOP_LAYER_NETF1_1_P060" (solid, remove dead copper, pour order 60): 69.678,167.593 71.693,167.593 75.375,171.275 80.4,171.275 80.4,177.095 76.85,177.095 72.545,181.4 69.105,181.4 68.175,180.47 68.175,169.096
HVN on Top Layer "TOP_LAYER_HVN_P050" (solid, remove dead copper, pour order 50): 235.878,148.946 235.878,138.11 235.245,137.477 235.245,136.737 235.612,136.37 236.628,136.37 236.845,136.587 236.845,137.88 236.525,138.2 236.525,140.581 240.939,140.581 241.282,140.925 241.282,145.128 237.464,148.946
HVN on Top Layer "TOP_LAYER_HVN_P049" (solid, remove dead copper, pour order 49): 232.65,146 232.081,146.569 232.081,148.551 232.476,148.946 237.22,148.946 237.82,148.346 237.82,146.604 237.216,146
NetD10_1 on Top Layer "TOP_LAYER_NETD10_1_P046" (solid, remove dead copper, pour order 46): 227,137.477 227,141.137 226.332,141.805 223.759,141.805 222.72,142.844 222.72,144.134 223.723,145.136 225.978,145.136 227.642,146.8 229.8,146.8 232.1,144.5 234.275,144.5 234.275,137.477
NetL10_4 on Top Layer "TOP_LAYER_NETL10_4_P036" (solid, remove dead copper, pour order 36): 86,178.065 85.935,178 80.639,178 76.5,182.139 76.5,184.6 77.781,185.881 80.217,185.881 83.873,182.224 85.976,182.224 86,182.2
NetR127_1 on Top Layer "TOP_LAYER_NETR127_1_P035" (solid, remove dead copper, pour order 35): 74.621,160.935 74.621,164.5 84.025,164.5 84.025,160.935
NetR122_1 on Top Layer "TOP_LAYER_NETR122_1_P034" (solid, remove dead copper, pour order 34): 84.267,166.195 74.697,166.195 74.697,169.193 84.267,169.193
NetF1_1 on Top Layer "TOP_LAYER_NETF1_1_P033" (solid, remove dead copper, pour order 33): 69.5,167.25 71.35,167.25 75.375,171.275 83.193,171.275 83.918,172 84.556,172.639 86,172.639 86,176.865 85.77,177.095 76.85,177.095 72.545,181.4 69.105,181.4 68.175,180.47 68.175,168.575
NetF2_1 on Top Layer "TOP_LAYER_NETF2_1_P032" (solid, remove dead copper, pour order 32): 74.621,159 84.4,159 84.4,157 70,157 69,158 69,162.75 70.871,162.75
GRID_GND on Top Layer "TOP_LAYER_GRID_GND_P030" (solid, remove dead copper, pour order 30): 50.5,155.5 63.5,155.5 63.5,170 57,176.5 50.5,176.5
NetF1_2 on Top Layer "TOP_LAYER_NETF1_2_P029" (solid, remove dead copper, pour order 29): 50.507,182.113 50.507,178 62.387,178 62.387,182.113
NetF2_2 on Top Layer "TOP_LAYER_NETF2_2_P028" (solid, remove dead copper, pour order 28): 51,184 56.905,184 62.387,189.482 62.387,194.513 58.9,198 52,198 51,197
NetC167_2 on Top Layer "TOP_LAYER_NETC167_2_P026" (solid, remove dead copper, pour order 26): 149.603,222.956 133.68,222.956 132.071,224.565 132.071,225.166 133.529,226.624 149.603,226.624
GND_HS_Si on Top Layer "TOP_LAYER_GND_HS_SI_P021" (solid, remove dead copper, pour order 21): 163.45,214 163.475,214 164.725,212.75 175.3,212.75 177.5,214.95 177.5,222.775 175.775,224.5 166.5,224.5 166.16,224.16 166.16,220.811 163.561,220.811 163.5,220.75 163.5,214.05
NetC167_2 on Top Layer "TOP_LAYER_NETC167_2_P020" (solid, remove dead copper, pour order 20): 158.875,219.3 158.2,218.625 153.675,218.625 149.238,223.062 149.238,226.238 151,228 151,242.258 154.742,246 160.5,246 162.3,244.2 162.3,237.372 158.875,233.947
GND on Top Layer "TOP_LAYER_GND_P003" (solid, remove dead copper, pour order 3): 95.9,57.4 90.845,57.4 90.845,140.599 85.7,140.599 85.7,57.2 58.1,57.2 58.1,50 95.9,50
DCLINK+_HV on Bottom Layer "BOTTOM_LAYER_DCLINK+_HV_P121" (solid, remove dead copper, pour order 121): 192.751,109.7 196.2,109.7 196.2,123.099 192.751,123.099
75V on Bottom Layer "BOTTOM_LAYER_75V_P004" (solid, remove dead copper, pour order 4): 70.945,105.879 107.6,105.879 107.6,20 70.945,20
HVN on Bottom Layer "BOTTOM_LAYER_HVN_P144" (solid, remove dead copper, pour order 144): 184.043,25 188.043,29 188.043,42 182.543,47.5 121.805,47.5 116.043,41.738 116.043,29 120.043,25
GND_HV on Bottom Layer "BOTTOM_LAYER_GND_HV_P010" (solid, remove dead copper, pour order 10): 165.801,110 176.201,110 176.201,122.9 165.801,122.9
SW_Node on Bottom Layer "BOTTOM_LAYER_SW_NODE_P012" (solid, remove dead copper, pour order 12): 179.6,109.7 190.401,109.7 190.401,111.4 186.05,116.549 190.401,121.725 190.401,123.099 179.6,123.099
NetC170_1 on Bottom Layer "BOTTOM_LAYER_NETC170_1_P115" (solid, remove dead copper, pour order 115): 61.843,220.045 51.35,230.537 51.35,232.607 53.07,234.326 64.24,234.326 77.678,247.764 102.357,247.764 107.878,242.243 107.878,232.989 106.383,231.493 78.778,231.493 66.992,219.707 62.135,219.707 61.843,220
GND on Bottom Layer "BOTTOM_LAYER_GND_P105" (solid, remove dead copper, pour order 105): 30 vertices, not listed, extent 94,136.7 226.03,208.931
no net on Bottom Layer "BOTTOM_LAYER_NONET_P098" (solid, remove dead copper, pour order 98): 115.84,157.336 115.84,160.723 119.248,164.131 121.117,166 125.75,166 128.751,162.999 128.751,157.916 126.335,155.5 117.676,155.5
HVN on Bottom Layer "Bottom Layer-GND_HV_SUPPLY" (solid, remove dead copper, pour order 91): 29 vertices, not listed, extent 203.275,62 249.25,205.75
GND_LS_Si on Bottom Layer "BOTTOM_LAYER_GND_LS_SI_P085" (solid, remove dead copper, pour order 85): 167.151,191.075 168.5,192.423 168.5,195.303 170.48,197.284 170.48,204.631 166.5,208.612 166.5,209.5 166,210 163.5,210 162.823,209.323 162.823,191.771 163.52,191.075
NetC168_1 on Bottom Layer "BOTTOM_LAYER_NETC168_1_P083" (solid, remove dead copper, pour order 83): 166.872,237 166,237.872 166,246.588 167.412,248 197,248 199,246 199,240 196,237
NetC167_2 on Bottom Layer "BOTTOM_LAYER_NETC167_2_P081" (solid, remove dead copper, pour order 81): 19 vertices, not listed, extent 132.5,223.2 162.3,244.746
GND_HS_Si on Bottom Layer "BOTTOM_LAYER_GND_HS_SI_P080" (solid, remove dead copper, pour order 80): 18 vertices, not listed, extent 148,190.925 163,225.5
DCLINK+_HV on Bottom Layer "BOTTOM_LAYER_DCLINK+_HV_P078" (solid, remove dead copper, pour order 78): 162.5,227.773 162.5,234.22 163.28,235 186.288,235 188.65,232.637 188.65,229.161 186.475,226.986 163.287,226.986
GND_HS_Si on Bottom Layer "BOTTOM_LAYER_GND_HS_SI_P077" (solid, remove dead copper, pour order 77): 163.45,212.735 163.45,224.144 164.531,225.225 175.404,225.225 177.5,223.129 177.5,214.952 175.283,212.735
GRID_GND_1 on Bottom Layer "BOTTOM_LAYER_GRID_GND_1_P066" (solid, remove dead copper, pour order 66): 53.016,239.646 50.653,242.009 50.5,242.009 50.5,249.5 61.545,249.5 63.071,247.974 63.071,244.063 62.008,243 60.149,243 56.795,239.646
NetF2_1 on Bottom Layer "BOTTOM_LAYER_NETF2_1_P065" (solid, remove dead copper, pour order 65): 70,189 78.49,189 80.844,191.354 80.844,194.447 80.291,195 74.043,195 72,197.043 65.543,203.5 63.5,203.5 62,202 62,199.85 69,192.85 69,190
NetF1_1 on Bottom Layer "BOTTOM_LAYER_NETF1_1_P062" (solid, remove dead copper, pour order 62): 69.678,167.593 71.693,167.593 75.375,171.275 80.4,171.275 80.4,177.095 76.85,177.095 72.545,181.4 69.105,181.4 68.175,180.47 68.175,169.096
NetL10_4 on Bottom Layer "BOTTOM_LAYER_NETL10_4_P058" (solid, remove dead copper, pour order 58): 76.5,182.139 81.195,182.139 88,188.944 88,197.061 81.811,203.25 73.75,203.25 72.25,201.75 72.25,199.25 73.25,198.25 80.965,198.25 83.193,196.022 83.193,191.476 76.5,184.783
GRID_GND on Bottom Layer "BOTTOM_LAYER_GRID_GND_P054" (solid, remove dead copper, pour order 54): 53.13,176.5 57.065,176.5 63.465,170.1 63.465,157.397 61.569,155.5 51,155.5 50.5,156 50.5,173.87
NetD10_1 on Bottom Layer "BOTTOM_LAYER_NETD10_1_P051" (solid, remove dead copper, pour order 51): 227,137.477 234.275,137.477 234.275,145.104 232.29,145.104 230.594,146.8 227.642,146.8 225.978,145.136 223.723,145.136 222.962,144.375 222.962,142.607 222.96,142.605 223.759,141.805 226.332,141.805 227,141.137
no net on Bottom Layer "BOTTOM_LAYER_NONET_P043" (solid, remove dead copper, pour order 43): 130.66,159.143 134.562,155.24 183.485,155.24 187.388,159.143 179.244,159.143 134.11,159.143
GND on Bottom Layer "BOTTOM_LAYER_GND_P042" (solid, remove dead copper, pour order 42): 28 vertices, not listed, extent 137.944,157.828 225.881,180.869
NetK1_7 on Bottom Layer "BOTTOM_LAYER_NETK1_7_P027" (solid, remove dead copper, pour order 27): 125,224.029 125,226.434 133.566,235 150.095,235 150.095,228.619 149.477,228 134.15,228 128.65,222.5 126.529,222.5
GRID_GND_2 on Bottom Layer "BOTTOM_LAYER_GRID_GND_2_P025" (solid, remove dead copper, pour order 25): 134.95,242.55 135.1,242.7 135.1,245.8 134,246.9 130.6,246.9 129.929,247.571 129.929,249.659 130.02,249.75 153.011,249.75 153.011,248 146,241.5 136,241.5
DCLINK+_HV on Bottom Layer "BOTTOM_LAYER_DCLINK+_HV_P014" (solid, remove dead copper, pour order 14): 183.751,192 184.801,190.95 186.832,190.95 188.307,192.425 188.307,200.313 187.121,201.5 185.124,201.5 183.751,200.127
GND_HS_GaN on Bottom Layer "BOTTOM_LAYER_GND_HS_GAN_P013" (solid, remove dead copper, pour order 13): 188.553,190.463 194.05,195.961 194.05,196.195 189.402,200.842 189.402,205.152 192,207.75 198.5,207.75 201.375,204.875 201.375,191.849 199.99,190.463

## Keep-outs
Keep-Out Layer:
  text ".Layer_Name" at 14.656,-21.806 h1.52

## Other copper
Top Layer:
  region net NetC56_1: 108.3,75 108.3,72.76 107.64,72.1 90.075,72.1 90.075,67.525 102.75,67.525 102.75,62.25 90.075,62.25 90.075,58.5 100.8,58.5 108.4,50.9 111.1,50.9 111.1,58.5 111.1,75
  region net 75V: 102.128,88.173 102.128,87.182 103.616,87.182 103.616,88.173
  region net BoostIN_D: 56.135,71.835 56.135,70.43 54.72,70.43 54.72,71.835
  region net BoostIN_D: 56.344,66.54 56.344,64.645 54.455,64.645 54.455,66.54
  region net BoostIN_C: 56.135,92.935 56.135,91.53 54.72,91.53 54.72,92.935
  region net BoostIN_C: 56.344,87.64 56.344,85.745 54.455,85.745 54.455,87.64
  region net BoostIN_A: 56.135,135.135 56.135,133.73 54.72,133.73 54.72,135.135
  region net BoostIN_A: 56.344,129.84 56.344,127.945 54.455,127.945 54.455,129.84
  region net BoostIN_B: 56.344,108.74 56.344,106.845 54.455,106.845 54.455,108.74
  region net BoostIN_B: 56.135,114.035 56.135,112.63 54.72,112.63 54.72,114.035
  region net BoostIN_A: 70,132.6 70,130.4 63.002,130.4 63.002,132.6
  region net BoostIN_B: 70,111.5 70,109.3 63.002,109.3 63.002,111.5
  region net BoostIN_C: 70,90.4 70,88.2 63.002,88.2 63.002,90.4
  region net BoostIN_D: 70,69.3 70,67.1 63.002,67.1 63.002,69.3
  pour cut-out: 250,50 250,61 239,61 239,50
  region net 75V: 82.722,114.05 83.225,114.05 83.225,112.55 82.722,112.55
  pour cut-out: 158.5,43 158.5,47.5 172,47.5 172,43
  region net 75V: 82.722,71.85 83.225,71.85 83.225,70.35 82.722,70.35
  region net 75V: 79.558,69.952 79.558,71.45 81.058,71.45 81.058,69.952
  region net 75V: 76.575,69.863 75.579,69.863 75.579,71.363 76.575,71.363
  region net 75V: 82.722,92.95 83.225,92.95 83.225,91.45 82.722,91.45
  region net 75V: 79.558,91.052 79.558,92.55 81.058,92.55 81.058,91.052
  region net 75V: 76.575,90.963 75.579,90.963 75.579,92.463 76.575,92.463
  region net 75V: 79.558,112.152 79.558,113.65 81.058,113.65 81.058,112.152
  region net 75V: 76.575,112.063 75.579,112.063 75.579,113.563 76.575,113.563
  region net 75V: 76.575,133.163 75.579,133.163 75.579,134.663 76.575,134.663
  region net 75V: 79.558,133.252 79.558,134.75 81.058,134.75 81.058,133.252
  region net 75V: 82.722,135.15 83.225,135.15 83.225,133.65 82.722,133.65
  region net DCLINK+_HV: 219.7,197.7 219.7,193.9 219.1,193.3 217.9,193.3 217.9,196.8 218.8,197.7
  region net DCLINK+_HV: 187,203 186,203 186,191.562 186.562,191.562 188,193 188,202
  region net SW_Node: 181,109.133 184.071,112 190.5,112 190.5,87 181,87
  region net HVN: 180.1,38 180.1,40.979 177.1,40.979 177.1,38
  region net HVN: 153.1,38 153.1,40.979 150.1,40.979 150.1,38
  region net HVN: 126.1,38 126.1,40.979 123.1,40.979 123.1,38
  region net NetT1_1: 110.85,89.2 101.4,89.2 96.688,93.912 96.688,96.8 101.1,96.8 101.1,95.1 101.3,95.1 103,96.8 103,108.649 108.151,113.8 110.85,113.8
  region net NetC56_2: 102.15,66.925 102.15,62.85 90.075,62.85 90.075,66.925
  region net DCLINK+_HV: 194,125.1 194.8,125.9 194.8,131.6 197.4,131.6 197.4,100.7 194,100.7
  region net GND_HV: 200.1,96.8 200.1,69.6 209.289,69.6 209.289,126.7 209.089,126.9 203.87,126.9 203,127.77 203,131.5 200.1,131.5
  region net MidNode2: 196.9,62.7 196.9,64.5 193.4,68 193.4,95.6 196.9,95.6 197.3,68.6 199.9,66 201.4,66 201.4,62.7
  region net MidNode1: 191.82,62.7 191.82,64.28 190.1,66 182.7,66 182.7,76.2 193.2,76.2 193.2,67.9 196.32,64.78 196.32,62.7
  region net 5V: 118.12,130.7 118.12,132.475 123.002,132.475 123.002,130.7
  region net NetC100_2: 115.12,121 115.12,122.775 119.402,122.775 119.402,121
  region net NetC102_2: 123.12,123.6 123.12,125.375 126.684,125.375 126.684,123.6
  region net PGND_LV: 80.064,76.925 81.989,76.925 81.989,74.799 80.064,74.799
  region net PGND_LV: 80.064,98.025 81.989,98.025 81.989,95.899 80.064,95.899
  region net PGND_LV: 80.064,119.125 81.989,119.125 81.989,116.999 80.064,116.999
  region net PGND_LV: 80.064,140.225 81.989,140.225 81.989,138.099 80.064,138.099
  region net BoostIN_A: 64.271,140.225 67.247,140.225 67.271,140.2 67.271,138.099 64.271,138.099
  region net BoostIN_B: 64.271,119.125 67.247,119.125 67.271,119.101 67.271,116.999 64.271,116.999
  region net BoostIN_C: 64.271,98.025 67.247,98.025 67.271,98 67.271,95.899 64.271,95.899
  region net BoostIN_D: 64.271,76.925 67.247,76.925 67.271,76.9 67.271,74.799 64.271,74.799
  region net 75V: 74.8,76.925 77.776,76.925 77.8,76.9 77.8,74.799 74.8,74.799
  region net 75V: 74.8,98.025 77.776,98.025 77.8,98 77.8,95.899 74.8,95.899
  region net 75V: 74.8,140.225 77.776,140.225 77.8,140.2 77.8,138.099 74.8,138.099
  region net 75V: 74.8,119.125 77.776,119.125 77.8,119.101 77.8,116.999 74.8,116.999
  region net 75V: 102.293,82.52 102.293,83.6 103,84.307 103,85.2 106.851,85.2 106.851,82.52
  region net 75V: 100.2,77.1 100.2,76.2 98.6,74.6 94.2,74.6 94.2,75.7 95.6,77.1 97.1,77.1
  region net NetTP48_1: 96.5,82.5 96,83 96,86.697 91.5,91.197 91.5,96.8 95.964,96.8 95.964,93.736 101,88.7 101,82.5
  region net NetL1_C_2: 82.95,86.95 78.375,86.95 78.375,83.925 79.5,82.8 86.25,82.8 86.75,83.3 86.75,84.8 86,85.55 83.35,85.55 82.95,85.95
  region net NetL1_D_2: 82.95,65.85 78.375,65.85 78.375,62.825 79.5,61.7 86.25,61.7 86.75,62.2 86.75,63.7 86,64.45 83.35,64.45 82.95,64.85
  region net NetL1_B_2: 82.95,108.05 78.375,108.05 78.375,105.025 79.5,103.9 86.25,103.9 86.75,104.4 86.75,105.9 86,106.65 83.35,106.65 82.95,107.05
  region net NetL1_A_2: 82.95,129.15 78.375,129.15 78.375,126.125 79.5,125 86.25,125 86.75,125.5 86.75,127 86,127.75 83.35,127.75 82.95,128.15
  text ".Layer_Name" at 14.656,-21.806 h1.52